# Altium PCB DPC_ICE_UP.PcbDoc (continued)
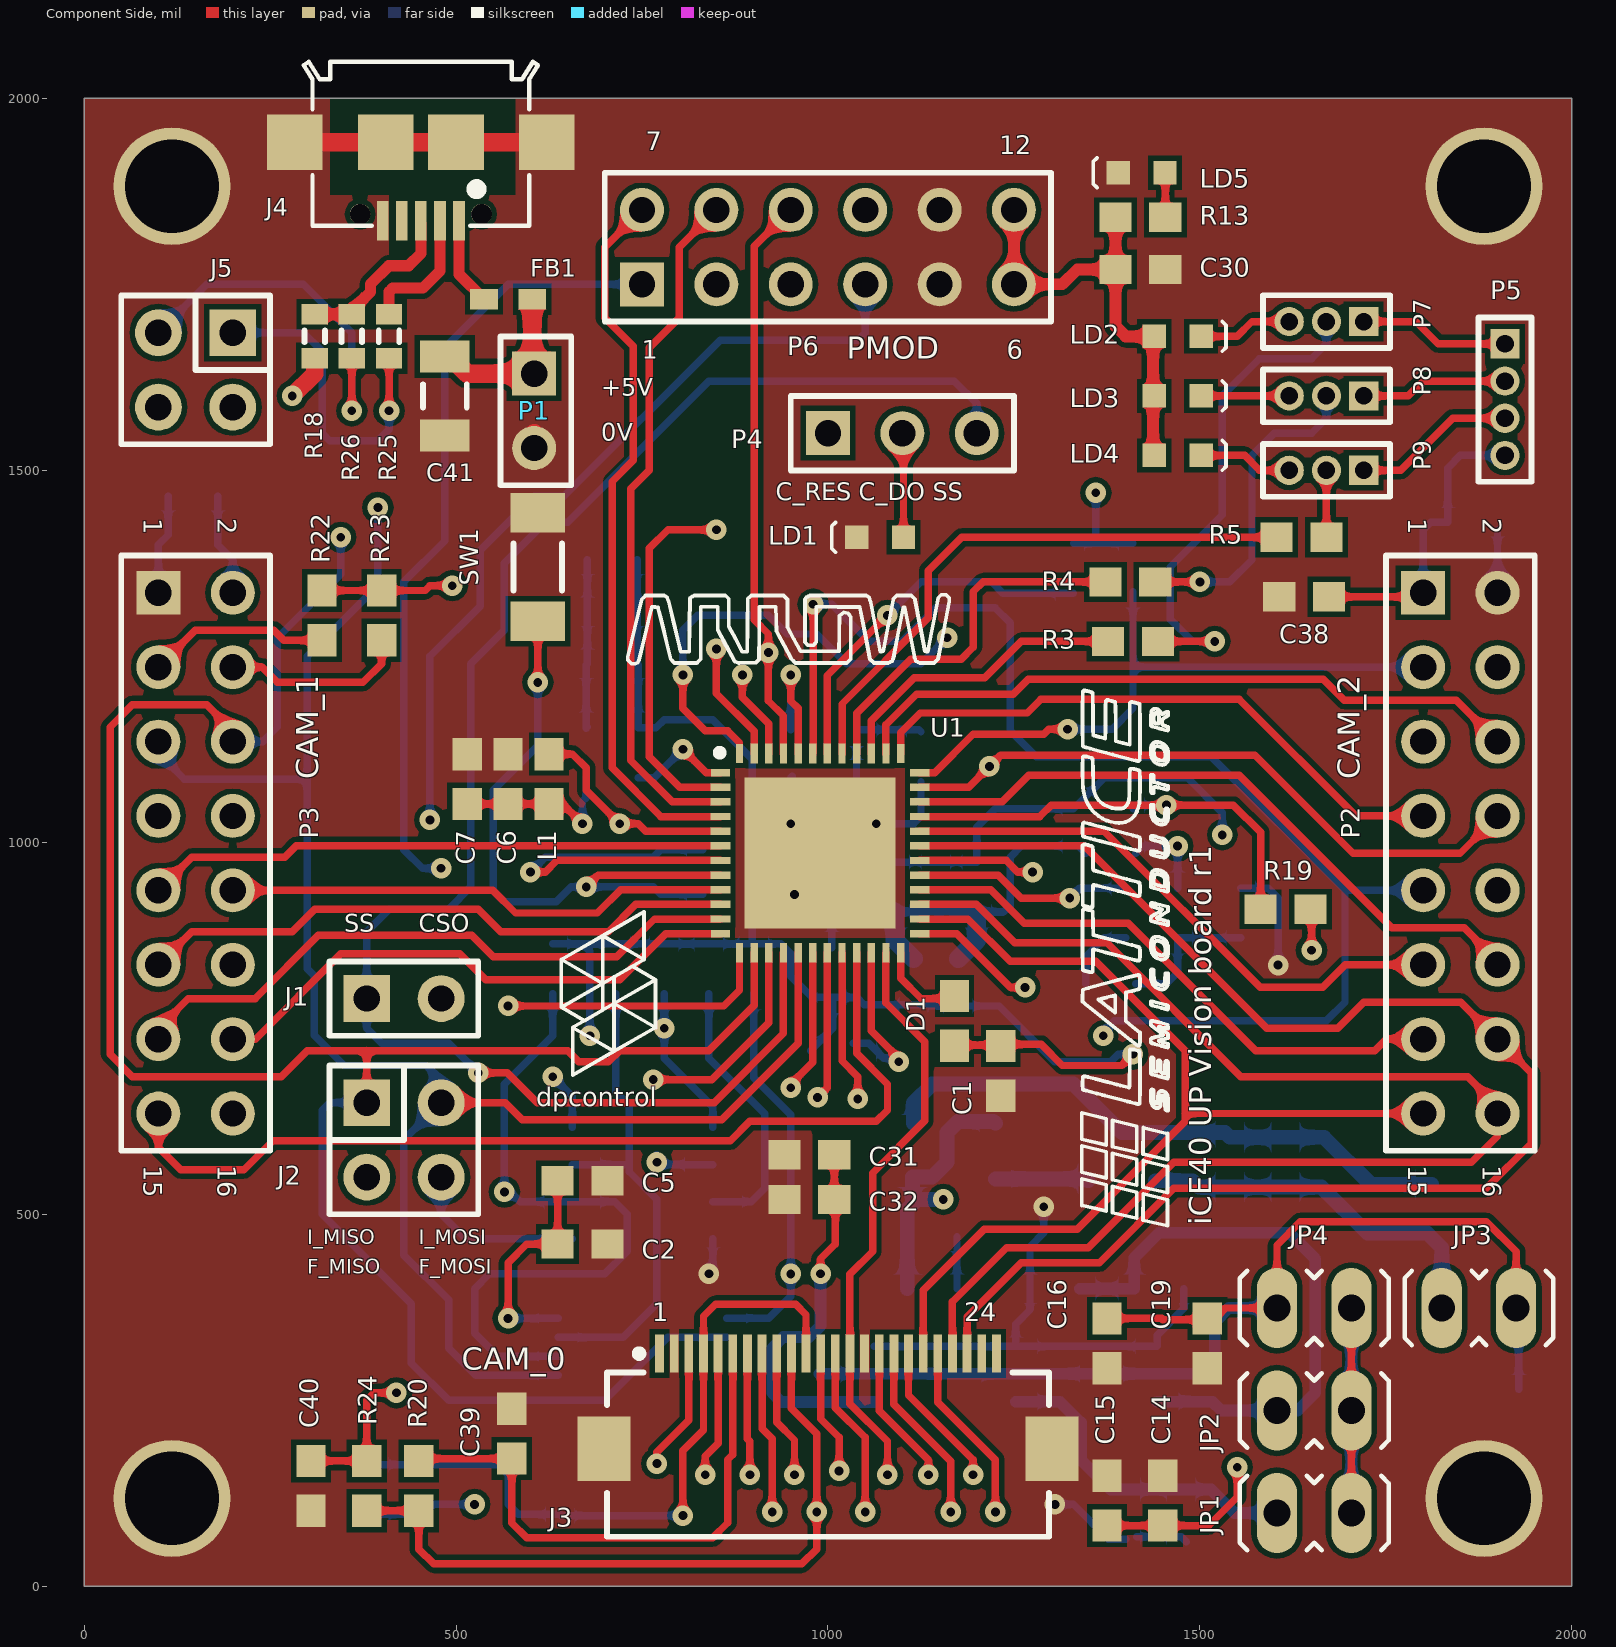
[diagram p0: Component Side view]
## Part data (continued)
R25 R26: "Resistor", MPN=GPR060368R, LatestRevisionDate=29-May-2009, LatestRevisionNote="IPC-7351 Footprint Added.", PackageDescription="Chip Resistor", PackageReference=J1-0603, Published=8-Jun-2000, Publisher="Altium Limited"
SW1: library part SW-PB, "Tact Switch", DIST=Farnell, DIST PN=1333652RL, ICCO PN=B3U-1000P, MAN=Omron, MAN PN=B3U-1000P, MPN=B3U-1000P
U1: MPN=ICE40UP5K-SG48ITR50
U2: "8 Mb (x1) Automotive Serial NOR Flash Memory, 75 MHz, 2.7 to 3.6 V, 8-pin SO8 Narrow (MN), Tape & Reel", Manufacturer=Micron, MPN=MX25L8006EM2I-12G, Package="SO8 Narrow", Voltage=2.7V-3.6V, Applications=Automotive, ComponentLink1Description="Manufacturer URL", ComponentLink1URL=http://www.micron.com/, ComponentLink2Description=Datasheet, ComponentLink2URL=http://www.micron.com/~/media/Documents/Products/Data%20Sheet/NOR%20Flash/Serial%20NOR/M25P/M25P80.pdf, ComponentLink3Description="Package Specification", ComponentLink3URL=http://www.micron.com/~/media/Documents/Products/Data%20Sheet/NOR%20Flash/Serial%20NOR/M25P/M25P05A.pdf, DatasheetVersion="Rev. Y", Density=8Mb, Mounting Technology="Surface Mount", PackageDescription="8-Pin SO Narrow, 3.9 X 4.9 mm, Pitch 1.27 mm", PackageReference=MICT-MN-8, PackageVersion="Rev 11", Part Family=M25P, PartNumber=M25P80-VMN3TPB, Part Status=Production, RoHS=Yes, Speed="75 MHz", Type="Data Storage", Width=x1
U3: "1024K bits SPI Serial SRAM with SDI and SQI Interface, 2.5 to 5.5 V, 20 MHz, -40 to 85 degC, 8-pin TSSOP (ST8), Tube", Manufacturer=Microchip, Supplier Part Number 1=23LC1024-I/ST-ND, ComponentLink1Description="Manufacturer URL", ComponentLink1URL=http://www.microchip.com, ComponentLink2Description=Datasheet, ComponentLink2URL=http://ww1.microchip.com/downloads/en/DeviceDoc/25142A.pdf, ComponentLink3Description="Package Specification", ComponentLink3URL=http://www.microchip.com/stellent/groups/techpub_sg/documents/packagingspec/en012702.pdf, ComponentLink4Description="Product URL", ComponentLink4URL=http://www.microchip.com/23LC1024, DatasheetVersion="Rev. A", Mounting Technology="Surface Mount", MPN=23LC1024-I/ST, PackageDescription="8-Lead Plastic Thin Shrink Small Outline, 3 x 4.4 mm Body, 0.65 mm Pitch", PackageReference=TSSOP-ST8, PackageVersion=C04-086B, PartNumber=23LC1024-I/ST, Supplier 1=Digi-Key, Supplier 2=Farnell, Supplier 3=Newark, Supplier 4=Newark, Supplier 5=Mouser, Supplier Part Number 2=2212151, Supplier Part Number 3=94T8232, Supplier Part Number 4=45W1402, Supplier Part Number 5=579-23LC1024-I/ST
U4: library part MCP1700T-5002E/TT, "Low Quiescent Current LDO, 3-Pin SOT-23, Extended Temperature, Tape and Reel", Manufacturer=Microchip, MPN=MCP1700T-1802E/TT, Part No=MCP1700T-1802E/TT:1.8V, Code_IPC=SOT23-3, Datasheet=http://docs-europe.electrocomponents.com/webdocs/137e/0900766b8137eadc.pdf, PackageReference=SOT-23-TT3
U5: library part MCP1700T-5002E/TT, "Low Quiescent Current LDO, 3-Pin SOT-23, Extended Temperature, Tape and Reel", Manufacturer=Microchip, MPN=MCP1700T-2802E/TT, Part No=MCP1700T-2802E/TT:2.8V, Code_IPC=SOT23-3, Datasheet=http://docs-europe.electrocomponents.com/webdocs/137e/0900766b8137eadc.pdf, PackageReference=SOT-23-TT3
U6: library part MCP1700T-5002E/TT, "Low Quiescent Current LDO, 3-Pin SOT-23, Extended Temperature, Tape and Reel", Manufacturer=Microchip, MPN=MCP1700T-1202E/TT, Part No=MCP1700T-1202E/TT:1.2V, Code_IPC=SOT23-3, Datasheet=http://docs-europe.electrocomponents.com/webdocs/137e/0900766b8137eadc.pdf, PackageReference=SOT-23-TT3
U7: MPN=AP3402KTTR-G1, Supplier Part Number 1=AP3429AKTTR-G1DICT-ND, Supplier 1=Digi-Key

## Free pads (board coordinates)
  round 157.48 hole 125.98: 0(118.11,118.11) 0(118.11,1881.89) 0(1881.89,118.11) 0(1881.89,1881.89)

## Via types
v1: diameter 27.56, hole 11.81, Component Side to Solder Side, tented both sides, 74 vias
v2: diameter 27.56, hole 11.81, Component Side to Solder Side, 3 vias

## Nets (pads, with @x,y where several pads share a name; then routed paths per layer and width w, separated by ;. In a path a pad name is that pad's centre, name@x,y a point inside that pad or via, vN(x,y) a via of type N, cw(c..) or ccw(c..) an arc to the next point about the centre after c; other vN are vias at no path point)
1.2V: C6.2 C7.2 C8.2 C12.2 C31.2 C32.2 L1.1 R15.1 U6.2 | length 2367.7
  Component Side w10: C7.2 C6.2 L1.1 643.46,1051.54 v1(670,1025) ; v1(990,420) 990,440 1010,460 1010,518.46 C31.2 C32.2@1008.46,575
  Inner Layer 2 w19.68: v1(670,1025) 847.5,847.5 1212.5,847.5 ; v1(990,420) 990,448 1172,630 1172,807 1212.5,847.5 ; v1(1470,995) 1470,905 1447.5,882.5 1247.5,882.5 1212.5,847.5
  Solder Side w10: v1(670,1025) 670,1055 675,1060 C8.2 ; C12.2@1413.46,985 1423.46,995 v1(1470,995) R15.1
  Solder Side w15.75: v1(990,420) 990,350 975,335 940,335 925,320 925,260 937.4,247.6 U6.2
1.8V: C17.2 C18.2 JP1.1 U4.2 | length 442.5
  Solder Side w15.75: U4.2 1311.81,248.19 1340,220 1340,170 1380,130 1515,130 1546.57,98.43 JP1.1
2.8V: C25.2 C26.2 JP2.1 R21.1 U5.2 | length 2165.2
  Inner Layer 2 w15.75: v1(525,110) 610,25 1435,25 1500,90 1500,185 1545,230 JP2.1@1580,230
  Solder Side w10: R21.1 456.54,96.54 470,110 v1(525,110)
  Solder Side w15.75: C26.2 C25.2 1411.54,441.54 1445,475 1620,475 1655,440 1655,260 1631.22,236.22 JP2.1 1528.78,236.22 1516.81,248.19 U5.2
3.3V: C1.2 C3.1 C4.2 C16.2 C19.2 C20.2 C24.2 C27.2 C28.2 C29.2 C30.2 C33.2 C34.2 C35.2 C36.1 C38.1 D1.1 JP3.2 JP4.1 L5.1 L6.1 LD2.1 LD3.1 LD4.1 OSC1.1 OSC1.4 P2.1 P3.2 P5.4 P6.6 P6.12 R1.1 R2.1 R7.2 R9.2 R10.2 R11.2 R12.2 R13.1 R18.2 U4.3 U5.3 U6.3 | length 9267.9
  Component Side w10: D1.1@1160,727.44 1228.98,727.44 1230,728.46 1286.54,728.46 1315,700 1395,700 v1(1410,715) ; C16.2 1448.46,360 1450,358.46 1518.46,358.46 1534.02,374.02 JP4.1 1603.54,458.54 1635,490 1885,490 1925,450 JP3.2 ; C38.1 1794.57,1330 P2.1
  Component Side w15.75: P6.12 P6.6 1315,1750 1335,1770 C30.2 ; R13.1 C30.2 ; LD4.1@1437.01,1520 1437.01,1680 1400,1680 1386.54,1693.46 C30.2
  Component Side w23.62: v2(280,1600) 310,1630 R18.2
  Inner Layer 2 w10: 1800,1530 1810,1520
  Inner Layer 2 w23.62: P3.2 280,1335.43 ; v1(680,740) 680,807 647,840 525,840 414,951 414,1256 334.57,1335.43 280,1335.43 ; P6.6 1250,1800 ; P2.1 1800,1530 1800,1710 1710,1800 1250,1800 ; 1810,1520 P5.4 ; 280,1335.43 v2(280,1600) 280,1630 350,1700 510,1700 735,1925 1220,1925 1250,1895 P6.12 1250,1800
  Inner Layer 2 w27.56: v1(1410,715) 1410,635 1380,605 1380,404.02 1410,374.02 JP4.1
  Solder Side w10: C20.2 180,1400 200,1380 P3.2 ; R7.2 670,863.46 ; v1(680,740) 680,853.46 670,863.46 ; C35.2 C33.2 C34.2 745,1238.46 745,1153.78 768.78,1153.78 780,1165 845,1165 898.46,1111.54 R2.1 ; L5.1 1006.22,749.68 1006.22,790.31 C28.2 ; U6.3 U6.3@988.19,285.6 ; C4.2 1003.46,990 C4.2@1000,990 ; C3.1 1121.96,1151.5 OSC1.4 OSC1.1 1038.31,1058.31 1000,1020 C4.2@1000,990 ; 1140,780 1230,780 1305,705 1380,705 1390,715 v1(1410,715) ; 1150,781.54 1048.46,781.54 1038.46,791.54 C28.2 ; P2.1 1800,1420 1810,1430 C36.1 1833.07,1503.07 1850,1520 P5.4 ; JP3.2 1928.46,370.55 C24.2 ; 670,863.46 R11.2 R9.2 R12.2 R10.2 ; R2.1 C4.2@1000,990 ; R2.1 R1.1 898.46,865 R10.2 ; R10.2 936.54,863.46 950,850 950,820 978.46,791.54 C28.2
  Solder Side w15.75: U6.3@988.19,285.6 U4.3 U5.3 1505.6,285.6 1520,300 1520,355 1539.02,374.02 JP4.1
+5VIN: C10.2 C41.2 FB1.2 P1.1 U7.1 U7.4 | length 3495.3
  Component Side w25: C41.2@480,1653.15 C41.2 491.81,1653.15 514.96,1630 P1.1 ; FB1.2 602.48,1652.52 P1.1@605,1650
  Inner Layer 2 w19.68: P1.1@605,1650 625,1630 780,1630 950,1460 950,1423 1035,1338 1035,1175 935,1075 590,1075 545,1030 545,940 585,900 703,900 813,790 1095,790 1130,755 1130,680 1055,605 1004,605 900,501 900,380 935,345 1020,345 1155,480 v1(1155,520)
  Solder Side w10: P1.1@601.54,1653.46 P1.1@605,1650
  Solder Side w20: C10.2 1106.54,506.54 1113.74,513.74 ; v1(1155,520) 1120,520 1113.74,513.74 ; U7.1 1222.72,624.8 1174.8,624.8 1160,610 1160,570 1140,550 1113.74,550 1113.74,513.74
AVDD: C37.2 J3.4 J3.11 R21.2 | length 948.3
  Component Side w10: v1(805,95) 805,182.32 832.36,209.69 832.36,210 ; 832.68,210 J3.4 832.68,362.68 848.84,378.84 956.63,378.84 970.47,365 J3.11
  Solder Side w10: R21.2 556.54,163.46 570,150 570,110 583.46,96.54 C37.2 641.54,95 v1(805,95)
C_IO: C21.2 C22.2 C23.2 JP1.2 JP2.2 JP4.2 L4.1 | length 2183.1
  Component Side w10: JP1.2 JP2.2 JP4.2
  Inner Layer 2 w31.5: v1(1530,1010) 1675,1010 1703.54,981.46 JP4.2 JP2.2 JP1.2
  Solder Side w10: C23.2 C22.2 C21.2 1200,1020 1225,1045 1330,1045 1371.69,1086.69 1483.31,1086.69 1530,1040 v1(1530,1010)
  Solder Side w15.75: JP1.2 JP2.2 JP4.2
CDONE: LD1.1 P4.2 R2.2 U1.7 | length 1637
  Component Side w10: v1(600,960) 620,960 635.59,975.59 U1.7 ; P4.2 1101.5,1548.5 LD1.1
  Inner Layer 1 w10: v1(600,960) 600,1085 670,1155 1000,1155 1045,1200 1045,1375 1100,1430 P4.2
  Solder Side w10: v1(600,960) 620,980 765,980 775,990 R2.2
CLK_24: OSC1.3 U1.44 | length 183.7
  Component Side w10: v1(950,1225) 950,1190 960,1180 960,1165 959.84,1165.16 U1.44
  Solder Side w10: OSC1.3@950,1151.5 v1(950,1225)
CRESET_B: P4.1 R1.2 SW1.1 U1.8 | length 1642.4
  Component Side w10: v1(610,1215) SW1.1 ; v1(675,940) 690.91,955.91 U1.8
  Inner Layer 1 w10: v1(610,1215) 640,1185 980,1185 1015,1220 1015,1350 1000,1365 P4.1
  Solder Side w10: v1(610,1215) 610,1130 550,1070 550,935 565,920 635,920 655,940 v1(675,940) 765,940 775,930 R1.2
CS0: J1.2 R9.1 U2.1 | length 560.4
  Inner Layer 1 w10: J1.2 495,790 515,810 755,810 780,785 v1(780,750)
  Solder Side w10: R9.1 v1(780,750) 780,710 845.28,644.72 U2.1
CS1: R10.1 U1.48 U3.1 | length 2230.6
  Component Side w10: v1(805,1225) 805,1180 835,1150 865,1150 881.1,1133.9 U1.48
  Inner Layer 1 w10: v1(950,419.84) 950,450 1165,665 1165,915 1280,1030 1280,1230 1235,1275 v1(1160,1275)
  Solder Side w10: v1(805,1225) 805,1285 825,1305 920,1305 945,1280 985,1280 1025,1240 1125,1240 v1(1160,1275) ; U3.1 920.24,360.24 950,390 v1(950,419.84) 950,633.54 900,683.54 R10.1
CS2: P6.1 U1.18 | length 1908.8
  Component Side w10: v1(950,670) 950,675 979.53,704.53 U1.18
  Inner Layer 1 w10: v1(480,965) 480,930 545,865 830,865 950,745 v1(950,670)
  Solder Side w10: v1(480,965) 455,965 430,990 430,1350 485,1405 485,1665 570,1750 P6.1
DOUT0: J3.19 P2.15 U1.26 | length 1376.4
  Component Side w10: U1.26 1188.15,896.85 1245,840 1360,840 1480,720 1480,635.43 ; J3.19 1127.95,397.95 1210,480 1335,480 1480,625 1480,635.43 ; P2.15 1480,635.43
DOUT1: J3.21 P2.16 U1.27 | length 1814.2
  Component Side w10: U1.27 1199.46,916.54 1251,865 1375,865 1555,685 1860,685 P2.16@1900,645 ; J3.21 1167.32,382.32 1240,455 1350,455 1465,570 1865,570 1900,605 P2.16
DOUT2: J3.22 P2.14 U1.31 | length 1976
  Component Side w10: U1.31 1344.72,995.28 1590,750 1685,750 1720,785 1850.43,785 P2.14 ; J3.22 1187.01,362.01 1260,435 1365,435 1465,535 1885,535 1945,595 1945,690.43 P2.14@1900.22,735.22
DOUT3: J3.20 P2.13 U1.28 | length 2001.5
  Component Side w10: U1.28 1218.78,936.22 1263.78,891.22 1403.78,891.22 1575,720 1735,720 1750.43,735.43 P2.13 ; J3.20 1147.64,247.36 1225,170 v1(1225,100)
  Inner Layer 1 w10: v1(1225,100) 1225,144 1256,175 1380,175 1485,280 1485,485 1735.43,735.43 P2.13
DOUT4: J3.18 P2.12 U1.34 | length 2219.6
  Component Side w10: J3.18 1108.27,256.73 1195,170 v1(1195,150) ; U1.34 1234.33,1054.33 1270,1090 1553,1090 1758,885 1855,885 1900,840 P2.12
  Inner Layer 1 w10: v1(1195,150) 1195,171 1229,205 1370,205 1455,290 1455,495 1750,790 1854.57,790 P2.12
DOUT5: J3.16 P2.11 U1.32 | length 2053
  Component Side w10: J3.16 1068.9,236.1 1135,170 v1(1135,150) ; U1.32 1371.04,1014.96 1581,805 1665,805 1695.43,835.43 P2.11
  Inner Layer 1 w10: v1(1135,150) 1135,170 1195,230 1355,230 1430,305 1430,520 1745.43,835.43 P2.11
DOUT6: J3.14 P2.10 U1.23 | length 2075.5
  Component Side w10: U1.23 1077.95,784.05 1130,732 1130,625.5 1060,555.5 1060,450 1029.53,419.53 J3.14 1029.53,245.47 1080,195 v1(1080,150)
  Inner Layer 1 w10: v1(1080,150) 1080,177 1163,260 1340,260 1405,325 1405,540 1750,885 1860,885 P2.10@1905,930
DOUT7: J3.12 P2.9 U1.43 | length 2781.7
  Component Side w10: U1.43 980,1119.76 v1(980,1320) ; J3.12 990.16,224.84 1015,200 v1(1015,155)
  Inner Layer 1 w10: v1(1015,155) 1015,196.04 1138.96,320 1288,320 1345,377 1345,690 1370,715 v1(1370,740)
  Solder Side w10: v1(980,1320) 1005,1320 1055,1270 1100,1270 1145,1315 1225,1315 1245,1295 1245,1150 1280,1115 1515.43,1115 1695,935.43 1695,785 1670,760 1385,760 1370,745 v1(1370,740) ; 1700,935.43 P2.9
DVDD: J3.10 R19.2 R20.2 R24.2 | length 2232.7
  Component Side w10: R24.2 R20.2 450,50 470,30 965,30 985,50 v1(985,100) 985,205 950.79,239.21 J3.10 ; v1(1650,855) R19.2@1650,908.46
  Inner Layer 2 w15.75: v1(985,100) 985,220
  Inner Layer 2 w19.68: 985,220 1238,473 1238,693.71 1365.29,821 1466,821 1545,900 1630,900 1650,880 v1(1650,855)
FLASH_MISO: J2.2 U2.2 | length 513.9
  Inner Layer 1 w10: J2.2 385,550 435,600 695,600 725,570 v1(770,570)
  Solder Side w10: v1(770,570) 770,580 783.15,566.85 U2.2
FLASH_MOSI: J2.3 U2.5 | length 250
  Solder Side w10: J2.3@480,560 J2.3 480,500 513.15,466.85 U2.5
GND: C1.1 C2.1 C3.2 C4.1 C5.1 C6.1 C7.1 C8.1 C10.1 C12.1 C13.1 C14.1 C15.1 C16.1 C17.1 C18.1 C19.1 C20.1 C21.1 C22.1 C23.1 C24.1 C25.1 C26.1 C27.1 C28.1 C29.1 C30.1 C31.1 C32.1 C33.1 C34.1 C35.1 C36.2 C37.1 C38.2 C39.1 C40.1 C41.1 J3.2 J3.15 J3.25 J3.26 J4.5 J4.Shell LD1.2 LD5.2 OSC1.2 P1.2 P2.2 P3.1 P6.5 P6.11 pad.0 R17.2 SW1.2 U1.49 U2.4 U3.4 U4.1 U5.1 U6.1 U7.2 | length 2787
  Component Side w25: J4.Shell@283.46,1940.94 405.51,1940.94 500,1940.94 J4.Shell@622.05,1940.94 ; P1.2@601.85,1546.85 P1.2@605,1550
  Solder Side w10: P3.1 100,1400 113.07,1413.07 C20.1 ; C8.1@676.54,1155 C8.1 675,1238.46 C34.1 C33.1 C35.1 ; v1(840,420) 845.28,425.28 U2.4 ; v1(950,1025) 950,1086.81 OSC1.2 ; v1(955,930) 970,930 978.46,921.54 C4.1 ; C28.1 C4.1 ; U6.1 1441.81,322.4 U5.1 1442.4,337.4 1478.46,373.46 C25.1 ; v1(1065,1025) 1115,1025 1125,1035 C3.2 ; C22.1@1150,901.54 C22.1 ; C10.1 1173.46,470 ; U4.1 1252.4,352.4 1271.54,371.54 C26.1 1271.54,456.54 1290,475 v1(1290,510) ; v1(1305,110) 1330,110 1376.93,63.07 C18.1@1400,63.07 ; C12.1@1346.54,985 C12.1 1260,995 1245,980 1245,915 1236.54,906.54 C21.1 C22.1 ; C18.1@1415,66.54 C17.1 C17.1@1481.54,60 ; C13.1 1591.54,938.46 1605,925 v1(1605,835) ; P2.2 C36.2@1900,1420 ; C4.1 1053.46,921.54 1068.46,906.54 C23.1 C22.1
  Solder Side w25: C23.1 1090,868.46 C29.1 ; C27.1 1200,868.46 C21.1
GPIO_0: P3.16 U1.13 | length 800.2
  Component Side w10: v1(570,780) 860,780 881.1,801.1 U1.13
  Inner Layer 1 w10: P3.16 250.43,635.43 325,710 500,710 v1(570,780)
GPIO_1: P3.13 U1.11 | length 854.9
  Component Side w10: P3.13 100,750 140,790 230,790 315,875 521.06,875 550,846.06 716.06,846.06 766.85,896.85 U1.11
GPIO_2: P3.9 U1.6 | length 780.3
  Component Side w10: P3.9 144.57,980 270,980 285.28,995.28 U1.6
GPIO_3: P3.10 U1.9 | length 681
  Component Side w10: P3.10 549.57,935.43 580,905 690,905 721.22,936.22 U1.9
GPIO_4: P3.11 U1.10 | length 814
  Component Side w10: P3.11 144.57,880 280,880 310,910 530,910 560,880 705,880 741.54,916.54 U1.10
GPIO_5: P3.12 U1.19 | length 1473.2
  Component Side w10: v1(986,657) 999.21,670.21 U1.19
  Inner Layer 1 w10: P3.12 150,785.43 150,535 200,485 855,485 986,616 v1(986,657)
GPIO_6: P3.15 U1.21 | length 1299.7
  Component Side w10: P3.15 100,590 130,560 215,560 254,599 869,599 895,625 1065,625 1080,640 1080,675 1038.58,716.42 U1.21
GPIO_7: P3.14 U1.12 | length 743.2
  Component Side w10: P3.14 230.43,735.43 345,850 505,850 540,815 720,815 782.17,877.17 U1.12
HOLD: R11.1 U2.7 U3.7 | length 664.2
  Solder Side w10: U3.7 724.65,334.65 770,380 770,520 733.15,556.85 733.15,646.85 715,665 R11.1 ; U2.7 730,566.85
HREF: J3.9 P2.6 U1.38 | length 2671.9
  Component Side w10: J3.9 931.1,220.52 955,196.62 v1(955,150) ; U1.38 1077.95,1157.95 1119,1199 1249,1199 1269,1219 1666,1219 1694.22,1190.78 1844.65,1190.78 P2.6
  Inner Layer 1 w10: v1(955,150) 955,190 1115,350 1275,350 1320,395 1320,740 1435,855 1530,855 1761,1086 1826,1086 1875.43,1135.43 P2.6
ICE_MISO: J2.1 P3.6 P6.3 U1.14 U3.2 | length 3810
  Component Side w10: P3.6 200,1150 165,1185 65,1185 35,1155 35,715 65,685 265,685 300,720 380,720 ; J2.1@380,660 380,720 ; U1.14 900.79,780.79 840,720 720,720 705,705 665,705 650,720 380,720
  Inner Layer 1 w10: v1(345,1410) 370,1385 660,1385 950,1675 P6.3
  Solder Side w10: P3.6 240.43,1135.43 260,1155 260,1275 345,1360 v1(345,1410) ; J2.1 330,650 320,640 320,500 440,380 440,300 490,250 700,250 784.65,334.65 U3.2
ICE_MOSI: J2.4 P3.5 P6.2 U1.17 U3.5 | length 3117.6
  Component Side w10: J2.4@480,660 J2.4 566,650 589,627 857,627 959.84,729.84 U1.17
  Inner Layer 1 w10: v1@385,1450 v1(395,1450) 435,1410 655,1410 850,1605 P6.2
  Solder Side w10: P3.5 100,1120 135,1085 300,1085 ; v1(395,1450) 395,1345 300,1250 300,1085 ; U3.5 526.54,283.46 490,320 490,385 430,445 430,600 J2.4 480,680 460,700 350,700 309.57,740.43 309.57,820.43 300,830 300,1085
LC_1: P7.2 R3.1 | length 677
  Component Side w10: R3.1 v1(1520,1270)
  Solder Side w10: v1(1520,1270) 1490,1270 1460,1300 1460,1370 1530,1440 1530,1600 1580,1650 1650,1650 1670,1670 P7.2
LC_2: P8.2 R4.1 | length 433.1
  Component Side w10: R4.1 v1(1500,1350)
  Solder Side w10: v1(1500,1350) 1540,1350 1570,1380 1570,1520 1600,1550 1650,1550 1670,1570 P8.2
LC_3: P9.2 R5.1 | length 90
  Component Side w10: R5.1 P9.2
LDB_1: LD2.2 P7.3 | length 126.8
  Component Side w10: LD2.2 1550,1680 1570,1700 P7.3
LDB_2: LD3.2 P8.3 | length 118.5
  Component Side w10: LD3.2 P8.3
LDB_3: LD4.2 P9.3 | length 126.8
  Component Side w10: LD4.2 1560,1520 1580,1500 P9.3
LDEX1: P5.1 P7.1 | length 202.4
  Component Side w10: P7.1 1790,1700 1820,1670 P5.1
LDEX2: P5.2 P8.1 | length 198.3
  Component Side w10: P8.1 1780,1600 1800,1620 P5.2
LDEX3: P5.3 P9.1 | length 219
  Component Side w10: P9.1 1770,1500 1840,1570 P5.3
NetC11_1: C11.1 R14.1 R17.1 U7.5 | length 790.5
  Solder Side w20: U7.5 1114.88,649.88 1140,675 1330,675 1395,610 1533.46,610 C11.1 R14.1 1666.54,603.46 1730,540 R17.1
NetC11_2: C11.2 C14.2 C15.2 JP3.1 L2.2 R14.2 | length 1403.9
  Component Side w10: C15.2 C14.2 1511.54,81.54 1550,120 v1(1550,160)
  Inner Layer 1 w10: v1(1550,160) 1550,450 1585,485 1790,485 1825,450 JP3.1
  Solder Side w20: L2.2 1490,545 1498.46,536.54 C11.2 R14.2 1663.46,536.54 1725,475 1805,475 1825,455 JP3.1
NetD1_2: D1.2 U1.24 | length 111
  Component Side w10: U1.24 1097.64,817.36 1125,790 1152.56,790 D1.2@1160,782.56
NetFB1_1: FB1.1 J4.1 | length 115.6
  Component Side w15: J4.1@503.94,1831.69 503.94,1763.58 FB1.1
NetJ5_1: J5.1 R25.2 | length 436.2
  Component Side w10: v2(410,1580) R25.2
  Solder Side w10: J5.1 295,1685 320,1660 320,1550 330,1540 395,1540 410,1555 v2(410,1580)
NetJ5_2: J5.2 R26.2 | length 489.3
  Component Side w10: v2(360,1580) R26.2
  Solder Side w10: J5.2 165,1750 295,1750 360,1685 v2(360,1580)
NetL2_1: L2.1 U7.3 | length 125.7
  Solder Side w20: U7.3 1347.13,547.6 L2.1
NetL3_1: L3.1 R16.2 | length 100.4
  Solder Side w10: R16.2 1346.54,846.54 1371.54,871.54 L3.1
NetLD5_1: LD5.1 R13.2 | length 60.2
  Component Side w10: LD5.1 1453.46,1899.53 R13.2
NetR3_2: R3.2 U1.39 | length 406.5
  Component Side w10: U1.39 1058.27,1163.27 1116,1221 1211,1221 1260,1270 R3.2
NetR4_2: R4.2 U1.40 | length 505.5
  Component Side w10: U1.40 1038.58,1173.58 1111,1246 1179,1246 1195,1262 1195,1336.54 1208.46,1350 R4.2
NetR5_2: R5.2 U1.41 | length 794.7
  Component Side w10: U1.41 1018.9,1185.9 1135,1302 1135,1365 1180,1410 R5.2 R5.2@1613.07,1400
PCLK1: J3.17 P2.7 U1.37 | length 2942.2
  Component Side w10: J3.17 1088.58,244.7 1165,168.28 v1(1165,100) ; U1.37 1097.64,1147.64 1123.78,1173.78 1267.78,1173.78 1286,1192 1553,1192 1709.57,1035.43 P2.7 P2.7@1819.43,1035.43
  Inner Layer 1 w10: v1(1165,100) 1165,60 1195,30 1285,30 1515,260 1515,475 1595,555 1915,555 1965,605 1965,1055 1935,1085 1870,1085 1820.43,1035.43 P2.7
PCLK2: P3.8 U1.20 | length 1312.8
  Component Side w10: U1.20 1018.9,706.1 1040,685 v1(1040,655)
  Inner Layer 1 w10: P3.8 355.43,1035.43 382,1062 518,1062 530,1050 530,940 575,895 840,895 1040,695 v1(1040,655)
PMOD_9: P6.9 U1.45 | length 767.2
  Component Side w10: U1.45 940.16,1169.84 920,1190 v1(920,1255) 920,1280 901,1299 901,1801 P6.9
PMOD_10: P6.10 U1.2 | length 1005.7
  Component Side w10: v1(850,1420) 785,1420 760,1395 760,1115 800.98,1074.02 U1.2
  Inner Layer 1 w10: v1(850,1420) 850,1510 1000,1660 1000,1800 P6.10
PWDN: C40.2 J3.8 R24.1 | length 1102.5
  Component Side w10: C40.2 R24.1 380,250 390,260 v1(420,260) ; J3.8 911.42,211.92 925,198.33 v1(925,100)
  Inner Layer 1 w10: v1(420,260) 585,260 645,200 645,85 670,60 905,60 925,80 v1(925,100)
RESETN: C39.2 J3.6 R20.1 | length 748.7
  Component Side w10: R20.1@450,171.54 C39.2 575,85 595,65 845,65 865,85 865,170 872.05,177.05 J3.6
SCK: P6.4 R7.1 U1.15 U2.6 U3.6 | length 3482.4
  Component Side w10: v1(765,681) 844,681 920.47,757.47 U1.15
  Inner Layer 1 w10: v1(465,1030) 465,1010 445,990 445,905 510,840 795,840 840,795 840,680 ; v1(565,530) 810,530 840,560 840,680 ; v1(765,681) 766,680 840,680
  Solder Side w10: v1(465,1030) 465,1250 532.5,1317.5 532.5,1392.5 605,1465 645,1465 855,1675 1040,1675 1050,1685 P6.4 ; v1(565,530) v1@565,538.15 ; R7.1 630,740 565,675 v1@565,538.15 ; U3.6 555.94,309.06 525,340 525,400 545,420 700,420 730,450 730,500 713.15,516.85 U2.6 586.3,516.85 v1@565,538.15
SCL: J3.5 P2.3 R8.1 U1.36 | length 2702.5
  Component Side w10: v1(835,150) 835,175 852.36,192.36 J3.5 ; U1.36 1143.7,1093.7 1195,1145 1290,1145 1297,1152 v1(1322,1152)
  Inner Layer 1 w10: v1(835,150) 835,170 1120,455 1160,455 1225,520 1225,815 1250,840 1350,840 1415,905 1510,905 1645,1040 1645,1150 1730.43,1235.43 P2.3
  Solder Side w10: v1(1322,1152) 1382,1152 1410,1180 1410,1235.43 ; R8.1 1410,1235.43 ; P2.3 1410,1235.43
SCL2: P3.4 R23.1 U1.46 | length 1157
  Component Side w10: P3.4 239.57,1235.43 260,1215 375,1215 400,1240 R23.1 ; v1(885,1225) 885,1195 920.47,1159.53 U1.46
  Inner Layer 1 w10: P3.4 245.43,1235.43 320,1310 860,1310 885,1285 v1(885,1225)
SDATA: J3.3 P2.4 R6.1 U1.42 | length 3132.6
  Component Side w10: v1(770,165) 770,180 812.99,222.99 J3.3 ; U1.42 999.21,1224.21 v1(1080,1305)
  Inner Layer 1 w10: v1(770,165) 770,185 900,315 935,315 1045,425 1045,465 1200,620 1200,830 1240,870 1335,870 1405,940 1510,940 1615,1045 1615,1285 ; v1(1080,1305) 1115,1305 1135,1325 1340,1325 1355,1310 1590,1310 1615,1285 ; P2.4 1850.43,1285 1615,1285
  Solder Side w10: v1(1080,1305) 1125,1350 1220,1350 1235,1335 R6.1@1330,1335
SDATA2: P3.3 R22.1 U1.47 | length 1210.1
  Component Side w10: P3.3 149.57,1285 255,1285 268.46,1271.54 R22.1 ; v1(850,1260) 850,1200 900.79,1149.21 U1.47
  Inner Layer 1 w10: P3.3 100,1235 150,1185 255,1185 330,1260 v1(850,1260)
SS: J1.1 P4.3 U1.16 | length 2286
  Component Side w10: v1(530,690) 569,690 609,650 847,650 940.16,743.16 U1.16
  Solder Side w10: v1(530,690) 490,730 400,730 380,750 J1.1 380,880 410,910 490,910 520,940 520,1240 565,1285 565,1375 620,1430 650,1430 840,1620 1170,1620 1200,1590 P4.3
USBD_FPGA_N: J5.3 P6.8 U1.3 | length 2099.4
  Component Side w10: P6.8 800,1800 800,1705 760,1665 760,1500 735,1475 735,1110 790.67,1054.33 U1.3
  Inner Layer 1 w10: J5.3 140,1545 140,1501.72 186.72,1455 303.28,1455 354.14,1505.86 414.14,1505.86 475,1445 658.28,1445 760,1546.72 760,1660 800,1700 800,1800 P6.8
USBD_FPGA_P: J5.4 P6.7 U1.4 | length 2080.8
  Component Side w10: P6.7 P6.7@746,1846 ; P6.7@754,1846 P6.7@746,1846 ; U1.4 775.35,1034.65 710,1100 710,1485 738.36,1513.36 738.36,1666.64 700,1705 700,1800 P6.7@746,1846
  Inner Layer 1 w10: J5.4 160,1545 160,1510 195,1475 295,1475 345.86,1525.86 422.43,1525.86 483.28,1465 650,1465 740,1555 740,1660 700,1700 700,1800 P6.7
USBD_N: J4.2 R25.1 | length 174.1
  Component Side w15: R25.1 410,1740 415,1745 455.38,1745 478.35,1767.97 J4.2@478.35,1831.69
USBD_P: J4.3 R18.1 R26.1 | length 226.3
  Component Side w15: R18.1 R26.1 367.5,1717.03 367.5,1722.5 385,1740 385,1750.36 409.64,1775 436.42,1775 452.76,1791.34 J4.3@452.76,1831.69
VCC: L1.2 U1.5 U1.30 | length 1031.1
  Component Side w10: L1.2 656.54,1118.46 675,1100 675,1070 v1(720,1025) 745,1025 755.04,1014.96 U1.5 ; U1.30 1239.41,975.59 1255,960 v1(1275,960)
  Inner Layer 2 w19.68: v1(720,1025) 785,1025 833,977 1193,977 1210,960 v1(1275,960)
VCC_P: L3.2 U1.29 | length 295.2
  Component Side w10: U1.29 1229.09,955.91 1260,925 v1(1325,925)
  Solder Side w10: v1(1325,925) 1338.46,938.46 L3.2
VCC_PLL: C13.2 R15.2 R16.1 | length 194.3
  Solder Side w10: R16.1 1455,810 1470,825 R15.2 C13.2
VCCIO_0: L4.2 R6.2 R8.2 R19.1 U1.33 | length 1269.3
  Component Side w10: U1.33 1284.65,1034.65 1300,1050 v1(1455,1050) 1545,1050 1581.54,1013.46 R19.1
  Inner Layer 2 w23.62: v1(1360,1470) 1410,1470 1455,1425 v1(1455,1050)
  Solder Side w10: R6.2@1330,1401.93 1354.57,1401.93 ; v1(1360,1470) 1360,1407.36 1354.57,1401.93 ; L4.2@1410,1045 1415,1050 v1(1455,1050) ; R8.2@1410,1401.93 1354.57,1401.93
VCCIO_1: C2.2 C5.2 L5.2 U1.22 U2.8 U3.8 | length 1636.6
  Component Side w10: v1(570,360) 570,435 595,460 C2.2 C5.2 ; U1.22 1058.27,746.73 1095,710 v1(1095,705)
  Inner Layer 2 w19.68: v1(570,360) 570,325 590,305 640,305 680,345 680,630 ; v1(630,685) 670,685 680,675 680,630 ; v1(1095,705) 1005,705 985,725 875,725 780,630 680,630
  Solder Side w10: v1(570,360) 637.36,360 U3.8 ; v1(630,685) 656.3,658.7 U2.8 ; L5.2@1033.78,730 1055,730 1075,710 1095,710 v1(1095,705)
VCCIO_2: L6.2 R22.2 R23.2 U1.1 | length 831.3
  Component Side w10: R22.2 R23.2 458.46,1338.46 465,1345 v1(495,1345) ; v1(805,1125) 836.3,1093.7 U1.1
  Inner Layer 2 w19.68: v1(495,1345) 495,1155 525,1125 v1(805,1125)
  Solder Side w10: L6.2 766.54,1086.54 v1(805,1125) v1@803.78,1126.22
VSYNC: J3.7 P2.5 U1.25 | length 1865.6
  Component Side w10: J3.7 891.73,198.27 895,195 v1(895,150) ; U1.25 1172.83,877.17 1245,805 v1(1265,805)
  Inner Layer 1 w10: v1(895,150) 895,175 1140,420 1175,420 1255,500 1255,795 v1(1265,805) 1350,805 1425,880 1520,880 1695,1055 1695,1105 1725.43,1135.43 P2.5
WP: R12.1 U2.3 | length 369.8
  Solder Side w10: R12.1 840,710 915,635 915,535 896.85,516.85 U2.3
XCLK1: J3.13 P2.8 P3.7 U1.35 | length 3940.4
  Component Side w10: J3.13 1009.84,240.16 1050,200 v1(1050,100) ; U1.35 1189.02,1074.02 v1(1217,1102) 1232,1117 1574,1117 1706,985 1849.57,985 P2.8
  Inner Layer 1 w10: P3.7 100.43,1035.43 155,1090 555,1090 565,1080 565,945 585,925 615,925 670,980 805,980 927,1102 v1(1217,1102) ; v1(1050,100) 1050,190 1150,290 1330,290 1375,335 1375,555 1465,645 1465,750 1704,989 1853.57,989 P2.8
pads on no net: J3.1 J3.23 J3.24 J4. J4.4 U3.3

## Polygon pours and split planes (outlines as drawn)
GND on Inner Layer 2 "GND_L03_P000" (solid, remove dead copper, pour order 0): 0,2000 2000,2000 2000,0 0,0
GND on Inner Layer 1 "GND_L02_P002" (solid, remove dead copper, pour order 2): 0,2000 2000,2000 2000,0 0,0
GND on Component Side "GND_L01_P008" (solid, remove dead copper, pour order 8): -0.38,2000.05 1999.62,2000.05 1999.62,0.05 -0.38,0.05
GND on Solder Side "GND_L04_P006" (solid, remove dead copper, pour order 6): 0,2000 2000,2000 2000,0 0,0

## Other copper
Component Side:
  pour cut-out: 409.45,1874.02 409.45,1783.17 515.75,1783.17 515.75,1874.02
  pour cut-out: 330,2010 330,1870.08 580,1870.08 580,2010

## Silkscreen, mask and mechanical layers (free items; w line width, h text height)
Top Overlay:
  drawing of 2739 lines, arcs and shapes, not listed
  text "PMOD" at 1025,1650 h30
  text "+5V" at 695,1600 h23.62
  text "0V" at 695,1540 h23.62
  text "C_RES C_DO SS" at 930,1460 h23.62
  text "CAM_1" at 315,1085 h30 r90
  text "CAM_2" at 1715,1085 h30 r90
  text "SS" at 350,880 h23.62
  text "CSO" at 450,880 h23.62
  text "dpcontrol" at 607.84,645 h25
  text "iCE40 UP Vision board r1" at 1515,485 h30 r90
  text "I_MISO" at 300,460 h19.68
  text "I_MOSI" at 450,460 h19.68
  text "F_MISO" at 300,420 h19.68
  text "F_MOSI" at 450,420 h19.68
  text "CAM_0" at 507.87,291.34 h30
Mechanical 1:
  the board outline again, w47.24

## Text inside footprints (layer, text, board x,y; h text height)
FB1: Mechanical 6 "Land Pattern Adapted for Flow Soldering" at 530.63,1753.62 h1.97
J3: Top Overlay "24" at 1183.07,355.98 h25; Top Overlay "1" at 763.78,355.98 h25
J4: Mechanical 15 "PCB Edge" at 523.62,2029.53 h39.37 r180
P2: Top Overlay "2" at 1880,1435.43 h25 r270; Top Overlay "1" at 1780,1435.43 h25 r270; Top Overlay "15" at 1780,565.87 h25 r270; Top Overlay "16" at 1880,565.87 h25 r270
P3: Top Overlay "2" at 180,1435.43 h25 r270; Top Overlay "1" at 80,1435.43 h25 r270; Top Overlay "15" at 80,565.87 h25 r270; Top Overlay "16" at 180,565.87 h25 r270
P6: Top Overlay "7" at 755,1930 h25; Top Overlay "1" at 750,1650 h25; Top Overlay "6" at 1240,1650 h25; Top Overlay "12" at 1230,1925 h25